# Altium PCB PCBDesign.PcbDoc (part 7 of 8)
Units mm, origin at the board's own origin, x right, y up, seen from the top; angles counter-clockwise.
Board outline 95 x 70 mm, 10 copper layers (L1 (Sig), L2 (GND), L3 (Sig), L4 (GND), L5 (Sig), L6 (GND), L7 (Sig), L8 (GND), L9 (PWR), L10 (Sig)), stack 1.566 mm thick; 290 components, 365 nets, 1923 pads, 1420 vias.
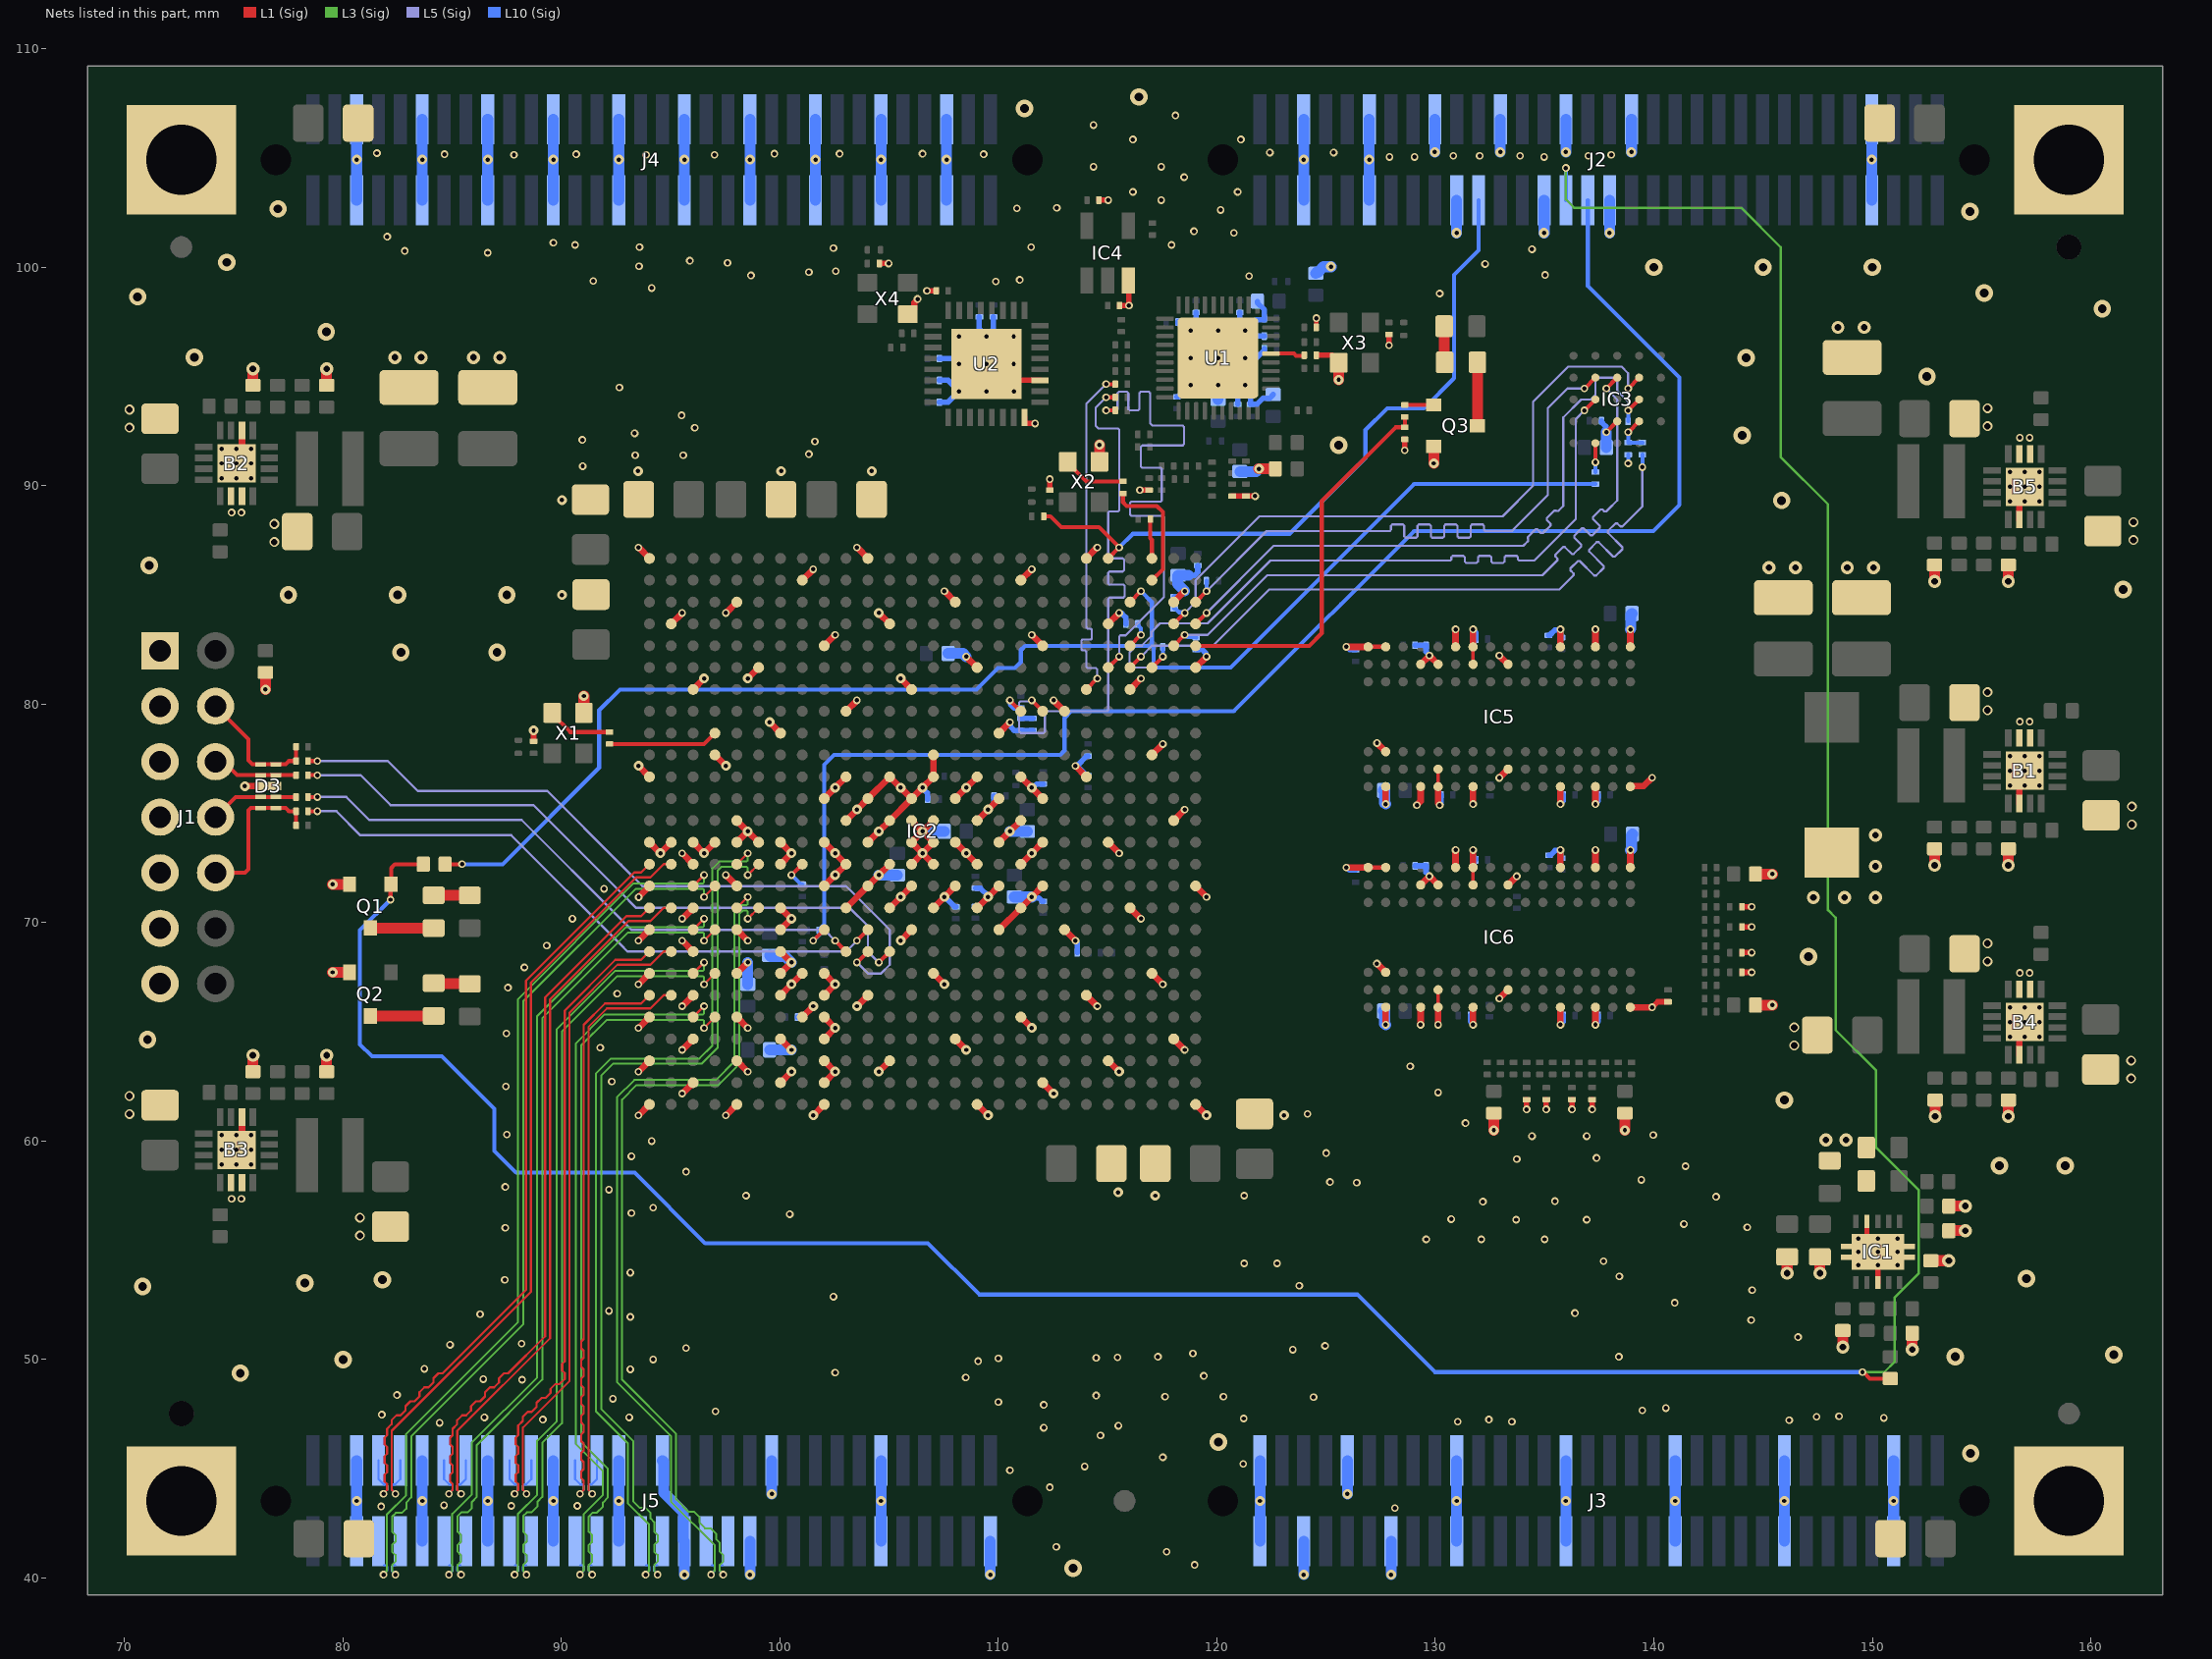
[diagram p15: the nets of this part, all layers, seen from the top]

## Via types
v1: diameter 0.35, hole 0.2, L1 (Sig) to L10 (Sig), tented both sides, 1046 vias
v2: diameter 0.45, hole 0.2, L1 (Sig) to L10 (Sig), tented both sides, 216 vias
v3: diameter 0.6, hole 0.3, L1 (Sig) to L10 (Sig), tented both sides, 95 vias
v4: diameter 0.8, hole 0.4, L1 (Sig) to L10 (Sig), tented both sides, 41 vias
v5: diameter 0.45, hole 0.3, L1 (Sig) to L10 (Sig), tented both sides, 22 vias

## Nets (pads, with @x,y where several pads share a name; then routed paths per layer and width w, separated by ;. In a path a pad name is that pad's centre, name@x,y a point inside that pad or via, vN(x,y) a via of type N, cw(c..) or ccw(c..) an arc to the next point about the centre after c; other vN are vias at no path point) (continued)
ETH_TXD3: IC2.H19 R61.2 | length 26.7
  L1 (Sig) w0.185: v1(111.525,80.175) IC2.H19@112.025,79.675 ; v1(114.925,94.05) R61.2@115.35,94.05
  L5 (Sig) w0.1: v1(111.525,80.175) 111.477,80.127 111.009,80.127 110.95,80.069 110.95,78.734 111.009,78.675 112.066,78.675 112.125,78.734 112.125,79.616 112.184,79.675 114.966,79.675 115.025,79.734 115.025,84.816 115.084,84.875 115.716,84.875 115.775,84.934 115.775,85.416 115.716,85.475 115.084,85.475 115.025,85.534 115.025,86.016 115.084,86.075 115.691,86.075 115.75,86.134 115.75,86.616 115.691,86.675 115.084,86.675 115.025,86.734 115.025,88.766 115.084,88.825 115.466,88.825 115.525,88.884 115.525,92.566 115.466,92.625 114.575,92.625 114.45,92.75 114.45,93.575 v1(114.925,94.05)
ETH_TXDCLK: IC2.G21 R57.2 | length 16.2
  L1 (Sig) w0.185: IC2.G21@114.025,80.675 v1(114.525,81.175) ; v1(114.925,94.65) R57.2@115.35,94.65
  L5 (Sig) w0.1: v1(114.525,81.175) 114.525,81.591 114.466,81.65 114.084,81.65 114.025,81.709 114.025,82.35 114.025,82.4 113.966,82.459 113.848,82.459 113.798,82.509 113.798,82.909 113.848,82.959 114.226,82.959 114.276,83.009 114.276,83.409 114.226,83.459 114.084,83.459 114.025,83.517 114.025,83.975 114.025,93.75 v1(114.925,94.65)
ETH_TXDCTL: IC2.F22 R62.2 | length 25.7
  L1 (Sig) w0.185: v1(114.925,93.45) R62.2@115.35,93.45 ; IC2.F22@115.025,81.675 v1(115.525,82.175)
  L5 (Sig) w0.1: v1(114.925,93.45) 115.391,93.45 115.45,93.509 115.45,94.241 115.509,94.3 115.891,94.3 115.95,94.241 115.95,93.509 116.009,93.45 116.391,93.45 116.45,93.509 116.45,94.241 116.509,94.3 116.891,94.3 116.95,94.241 116.95,92.859 117.059,92.75 118.441,92.75 118.5,92.691 118.5,91.909 118.441,91.85 116.584,91.85 116.525,91.791 116.525,90.884 116.584,90.825 117.416,90.825 117.475,90.766 117.475,89.334 117.416,89.275 116.084,89.275 116.025,89.216 116.025,88.684 116.084,88.625 117.516,88.625 117.575,88.566 117.575,87.975 117.575,84.9 115.825,83.15 115.584,83.15 115.525,83.091 v1(115.525,82.175)
ETH_XTAL_IN: R110.2 U1.36 | length 1.6
  L1 (Sig) w0.185: U1.36@122.475,96.05 123.525,96.05 123.625,95.95 123.975,95.95 R110.2@124,95.975
FLASH_CLK: IC3.B2 R43.2 R45.1 | length 1.8
  L1 (Sig) w0.185: v1(138.825,92.45) IC3.B2@139.325,92.95
  L10 (Sig) w0.185: v1(138.825,92.45) R43.2@138.825,91.975 R45.1@139.475,91.975
FLASH_NRESET: IC3.A4 R47.1 | length 1.3
  L1 (Sig) w0.185: v1(137.325,91.075) IC3.A4@137.325,91.95
  L10 (Sig) w0.185: R47.1@137.325,90.625 v1(137.325,91.075)
GND: B1.6 B1.14 B1.15 B1.17 B2.6 B2.14 B2.15 B2.17 B3.6 B3.14 B3.15 B3.17 B4.6 B4.14 B4.15 B4.17 B5.6 B5.14 B5.15 B5.17 C1.1 C2.1 C3.1 C4.1 C6.1 C8.1 C9.1 C10.1 C11.1 C12.1 C13.1 C15.1 C17.1 C18.1 C19.1 C20.1 C22.1 C23.1 C24.1 C25.1 C26.1 C27.1 C28.1 C29.1 C30.1 C31.1 C32.2 C33.1 C34.1 C35.1 C36.1 C37.1 C38.1 C39.1 C40.1 C41.1 C42.1 C43.1 C44.1 C45.1 C46.1 C47.1 C48.1 C49.1 C50.1 C51.1 C52.1 C53.1 C54.1 C55.1 C56.1 C57.1 C58.1 C59.1 C60.1 C61.1 C62.1 C63.2 C64.2 C65.1 C66.1 C67.2 C68.1 C69.1 C70.1 C71.1 C72.1 C73.1 C74.1 C75.1 C76.1 C77.1 C78.1 C79.1 C80.1 C81.1 C82.1 C84.1 C85.1 C86.1 C87.1 C88.1 C89.1 C90.1 C91.1 C92.1 C93.1 C95.1 C96.1 C97.1 C98.1 C99.1 C100.1 C101.1 C102.1 C103.1 C104.1 C105.1 C106.1 C107.1 C108.1 C109.1 C110.2 C111.2 C112.1 C113.1 C114.1 C115.1 C116.1 C117.1 C118.1 C119.2 C120.2 C121.1 C122.1 C123.1 C124.1 C125.1 C126.1 C127.1 C128.1 C129.1 C130.1 D3.38 IC1.4 IC1.8 IC1.11 IC1.12 IC1.13 IC1.14 IC1.15 IC2.A1 IC2.A11 IC2.A21 IC2.AA3 IC2.AA7 IC2.AA9 IC2.AA11 IC2.AA21 IC2.AB1 IC2.AB5 IC2.AB9 IC2.AB18 IC2.AC3 IC2.AC7 IC2.AC9 IC2.AC15 IC2.AC25 IC2.AD1 IC2.AD5 IC2.AD9 IC2.AD12 IC2.AD22 IC2.AE3 IC2.AE7 IC2.AE9 IC2.AE19 IC2.AF1 IC2.AF5 IC2.AF9 IC2.AF16 IC2.AF26 IC2.B8 IC2.B18 IC2.C5 IC2.C15 IC2.C25 IC2.D2 IC2.D12 IC2.D22 IC2.E9 IC2.E19 IC2.F6 IC2.F16 IC2.F26 IC2.G3 IC2.G13 IC2.G23 IC2.H10 IC2.H20 IC2.J7 IC2.J17 IC2.K4 IC2.K14 IC2.K24 IC2.L1 IC2.L10 IC2.L12 IC2.L14 IC2.L16 IC2.L18 IC2.L21 IC2.M9 IC2.M11 IC2.M13 IC2.M15 IC2.M17 IC2.M19 IC2.N5 IC2.N10 IC2.N12 IC2.N13 IC2.N14 IC2.N16 IC2.N18 IC2.N25 IC2.P1 IC2.P2 IC2.P3 IC2.P4 IC2.P5 IC2.P6 IC2.P7 IC2.P9 IC2.P11 IC2.P13 IC2.P14 IC2.P15 IC2.P17 IC2.P19 IC2.P22 IC2.R3 IC2.R7 IC2.R10 IC2.R12 IC2.R13 IC2.R14 IC2.R16 IC2.R18 IC2.T1 IC2.T5 IC2.T9 IC2.T11 IC2.T13 IC2.T15 IC2.T17 IC2.T19 IC2.T26 IC2.U3 IC2.U7 IC2.U10 IC2.U12 IC2.U14 IC2.U16 IC2.U18 IC2.U23 IC2.V1 IC2.V5 IC2.V7 IC2.V13 IC2.V17 IC2.V20 IC2.W3 IC2.W7 IC2.Y1 IC2.Y5 IC2.Y7 IC2.Y8 IC2.Y9 IC2.Y14 IC2.Y24 IC3.B3 IC4.3 IC5.A9 IC5.B1 IC5.B3 IC5.B9 IC5.D1 IC5.D8 IC5.E1 IC5.E2 IC5.E8 IC5.F9 IC5.G1 IC5.G8 IC5.G9 IC5.J2 IC5.J8 IC5.M1 IC5.M9 IC5.P1 IC5.P9 IC5.T1 IC5.T9 IC6.A9 IC6.B1 IC6.B3 IC6.B9 IC6.D1 IC6.D8 IC6.E1 IC6.E2 IC6.E8 IC6.F9 IC6.G1 IC6.G8 IC6.G9 IC6.J2 IC6.J8 IC6.M1 IC6.M9 IC6.P1 IC6.P9 IC6.T1 IC6.T9 J1.1 J1.3 J1.5 J1.7 J1.9 J1.11 J1.13 J2.7 J2.8 J2.30 J2.31 J2.36 J2.37 J2.42 J2.45 J2.48 J2.53 J2.54 J2.59 J2.60 J3.5 J3.6 J3.15 J3.16 J3.25 J3.26 J3.35 J3.36 J3.45 J3.46 J3.51 J3.56 J3.59 J3.63 J3.64 J4.5 J4.6 J4.11 J4.12 J4.17 J4.18 J4.23 J4.24 J4.29 J4.30 J4.35 J4.36 J4.41 J4.42 J4.47 J4.48 J4.53 J4.54 J4.59 J4.60 J5.1 J5.11 J5.12 J5.22 J5.23 J5.29 J5.32 J5.35 J5.36 J5.41 J5.42 J5.47 J5.48 J5.53 J5.54 J5.59 J5.60 pad.12 Q1.2 Q2.2 Q3.2 R7.1 R8.1 R15.1 R16.1 R23.1 R24.1 R40.2 R43.1 R49.1 R50.1 R51.1 R54.1 R64.1 R90.1 R92.1 R93.1 R94.1 R105.2 R106.2 R107.2 R110.1 R111.1 R116.1 U1.41 U2.8 U2.11 U2.33 X1.2 X2.2 X3.2 X4.2 | length 352.9
  L1 (Sig) w0.15: IC6.E1@130.123,66.127 IC6.E2@130.125,66.925 ; IC5.E1@130.123,76.227 IC5.E2@130.123,77.023 ; IC6.G8@131.725,71.725 IC6.G9@131.725,72.525 ; IC5.G8@131.725,81.825 IC5.G9@131.725,82.625
  L1 (Sig) w0.185: R111.1@124.55,97.25 v1(124.55,97.675) ; v1(137.825,92.45) IC3.B3@138.325,92.95
  L1 (Sig) w0.2: IC6.A9@126.925,72.525 IC6.B9@127.725,72.525 ; IC5.A9@126.925,82.625 IC5.B9@127.725,82.625 ; IC6.E1@130.123,66.127 IC6.E1@130.125,66.125 ; IC6.E2@130.125,66.925 IC6.E2@130.125,66.925 ; IC5.E1@130.123,76.227 IC5.E1@130.125,76.225 ; IC5.E2@130.123,77.023 IC5.E2@130.125,77.025
  L1 (Sig) w0.24: IC1.4@149.75,56.325 149.75,55.425 v1(150.25,54.925) v1(150.25,54.325) IC1.8@150.25,53.525
  L1 (Sig) w0.25: C63.2@88.725,78.3 v2(88.725,78.8) ; C126.1@104.55,100.175 v1(104.975,100.175) ; v1(106.725,98.925) R116.1@107.15,98.925 ; v1(109.45,95.575) 110.2,94.825 U2.11@111.9,94.825 ; U2.8@111.2,93.125 111.2,92.855 111.205,92.85 v1(111.675,92.85) ; C67.2@112.35,89.8 v1(112.35,90.3) ; C68.1@114.6,103.075 v1(115.025,103.075) ; R64.1@115.55,98.25 v1(115.975,98.25) 115.963,98.262 115.963,99.383 IC4.3@115.95,99.396 ; v1(116.475,89.8) R107.2@116.9,89.8 ; R105.2@120.7,89.525 120.75,89.525 R106.2@121.325,89.525 v1(121.75,89.525) ; R110.1@124.55,95.975 125.275,95.975 125.575,95.675 X3.2@125.575,95.625 ; v1(127.875,96.425) C120.2@127.875,96.925 ; v1(128.6,91.625) R51.1@128.6,92.125 ; v1(134.175,61.45) C78.1@134.175,61.9 ; v1(135.075,61.45) C72.1@135.075,61.9 ; v1(136.25,61.45) C74.1@136.25,61.9 ; v1(137.175,61.45) C75.1@137.175,61.9 ; v1(139.925,66.125) 140.175,66.375 R90.1@140.65,66.375 ; C76.1@144.025,67.725 v1(144.475,67.725) ; C73.1@144.025,68.625 v1(144.475,68.625) ; C71.1@144.025,69.8 v1(144.475,69.8) ; C77.1@144.025,70.725 v1(144.475,70.725)
  L1 (Sig) w0.3: v1(75.125,59.6) 75.375,59.85 B3.6@75.375,61.1 ; v1(75.125,91.025) 75.375,91.275 B2.6@75.375,92.525 ; v2(75.51,76.25) D3.38@76.575,76.25 ; v1(93.525,61.175) IC2.AF1@94.025,61.675 ; v1(93.525,63.175) IC2.AD1@94.025,63.675 ; v1(93.525,65.175) IC2.AB1@94.025,65.675 ; v1(93.525,67.175) IC2.Y1@94.025,67.675 ; v1(93.525,69.175) IC2.V1@94.025,69.675 ; v2(93.525,77.175) IC2.L1@94.025,76.675 ; v1(93.525,87.175) IC2.A1@94.025,86.675 ; v1(93.533,71.167) 93.533,71.175 94.025,71.667 IC2.T1@94.025,71.675 ; IC2.P1@94.025,73.675 v2(94.525,73.175) IC2.P2@95.025,73.675 ; IC2.D2@95.025,83.675 v1(95.525,84.175) ; v1(95.525,62.175) IC2.AE3@96.025,62.675 ; v1(95.525,64.175) IC2.AC3@96.025,64.675 ; v1(95.525,66.175) IC2.AA3@96.025,66.675 ; v1(95.525,69.175) IC2.W3@96.025,68.675 ; v1(95.525,70.175) IC2.U3@96.025,70.675 ; v1(95.525,73.175) IC2.R3@96.025,72.675 ; IC2.P3@96.025,73.675 v2(96.525,73.175) IC2.P4@97.025,73.675 ; IC2.G3@96.025,80.675 v2(96.525,81.175) ; IC2.K4@97.025,77.675 v2(97.525,77.175) ; v1(97.525,61.175) IC2.AF5@98.025,61.675 ; v1(97.525,72.175) IC2.T5@98.025,71.675 ; v1(97.525,84.175) IC2.C5@98.025,84.675 ; IC2.AD5@98.025,63.675 v1(98.525,63.175) ; IC2.AB5@98.025,65.675 v1(98.525,65.175) ; IC2.Y5@98.025,67.675 v1(98.525,68.175) ; IC2.V5@98.025,69.675 v1(98.525,69.175) ; IC2.P5@98.025,73.675 v2(98.525,74.175) ; IC2.N5@98.025,74.675 v2(98.525,74.175) ; v2(98.525,81.175) IC2.F6@99.025,81.675 ; IC2.P6@99.025,73.675 v2(98.525,74.175) ; v2(99.525,79.175) IC2.J7@100.025,78.675 ; IC2.AE7@100.025,62.675 v2(100.525,63.175) ; IC2.AC7@100.025,64.675 v2(100.525,64.175) ; IC2.AA7@100.025,66.675 v2(100.525,67.175) IC2.Y8@101.025,67.675 ; IC2.Y7@100.025,67.675 v2(100.525,68.175) IC2.W7@100.025,68.675 ; IC2.V7@100.025,69.675 v2(100.525,70.175) IC2.U7@100.025,70.675 ; IC2.R7@100.025,72.675 v2(100.525,73.175) IC2.P7@100.025,73.675 ; IC2.B8@101.025,85.675 v1(101.525,86.175) ; v2(101.525,61.175) IC2.AF9@102.025,61.675 ; IC2.AE9@102.025,62.675 v2(102.525,63.175) IC2.AD9@102.025,63.675 ; IC2.AC9@102.025,64.675 v2(102.525,65.175) IC2.AB9@102.025,65.675 ; IC2.AA9@102.025,66.675 v2(102.525,67.175) IC2.Y9@102.025,67.675 ; IC2.T9@102.025,71.675 v2(102.525,72.175) IC2.R10@103.025,72.675 IC2.P9@102.025,73.675 ; IC2.M9@102.025,75.675 v2(102.525,76.175) IC2.L10@103.025,76.675 ; IC2.E9@102.025,82.675 v1(102.525,83.175) ; IC2.U10@103.025,70.675 IC2.T11@104.025,71.675 v2(104.525,72.175) IC2.R12@105.025,72.675 ; IC2.N10@103.025,74.675 v2(103.525,75.175) IC2.M11@104.025,75.675 IC2.L12@105.025,76.675 IC2.M13@106.025,75.675 ; IC2.H10@103.025,79.675 v1(103.525,80.175) ; v2(103.525,66.175) IC2.AA11@104.025,66.675 ; v1(103.525,87.175) IC2.A11@104.025,86.675 ; IC2.P11@104.025,73.675 v2(104.525,74.175) IC2.N12@105.025,74.675 IC2.M13@106.025,75.675 ; v2(104.525,63.175) IC2.AD12@105.025,63.675 ; v2(104.525,84.175) IC2.D12@105.025,83.675 ; IC2.U12@105.025,70.675 v2(105.525,71.175) IC2.T13@106.025,71.675 ; v2(105.525,69.175) IC2.V13@106.025,69.675 ; v2(105.525,81.175) IC2.G13@106.025,80.675 ; X4.2@105.9,97.85 106.15,98.1 106.15,98.386 106.3,98.536 v1(106.3,98.55) ; IC2.R13@106.025,72.675 v2(106.525,73.175) ; IC2.N13@106.025,74.675 v2(106.525,74.175) ; IC2.Y14@107.025,67.675 v2(107.525,67.175) ; IC2.U14@107.025,70.675 v2(107.525,71.175) IC2.T15@108.025,71.675 ; IC2.R14@107.025,72.675 v2(106.525,73.175) ; IC2.N14@107.025,74.675 v2(106.525,74.175) ; IC2.K14@107.025,77.675 IC2.L14@107.025,76.675 v2(106.525,76.175) IC2.M13@106.025,75.675 ; v1(107.525,85.175) IC2.C15@108.025,84.675 ; IC2.AC15@108.025,64.675 v2(108.525,64.175) ; IC2.P15@108.025,73.675 IC2.R16@109.025,72.675 ; IC2.M15@108.025,75.675 v2(108.525,76.175) IC2.L16@109.025,76.675 ; v1(108.525,82.175) IC2.F16@109.025,81.675 ; IC2.AF16@109.025,61.675 v2(109.525,61.175) ; IC2.U16@109.025,70.675 v2(109.525,71.175) IC2.T17@110.025,71.675 ; IC2.N16@109.025,74.675 v2(109.525,75.175) IC2.M17@110.025,75.675 ; IC2.V17@110.025,69.675 IC2.U18@111.025,70.675 v2(111.525,71.175) IC2.T19@112.025,71.675 ; IC2.P17@110.025,73.675 v2(110.525,74.175) IC2.N18@111.025,74.675 ; IC2.J17@110.025,78.675 v1(110.525,79.175) ; IC2.AB18@111.025,65.675 v2(111.525,65.175) ; IC2.R18@111.025,72.675 v2(111.525,73.175) IC2.P19@112.025,73.675 ; IC2.L18@111.025,76.675 v2(111.525,76.175) IC2.M19@112.025,75.675 ; IC2.B18@111.025,85.675 v1(111.525,86.175) ; v1(111.525,83.175) IC2.E19@112.025,82.675 ; IC2.AE19@112.025,62.675 v2(112.525,62.175) ; v1(112.525,80.175) IC2.H20@113.025,79.675 ; IC2.V20@113.025,69.675 v1(113.525,69.175) ; v1(113.525,77.175) IC2.L21@114.025,76.675 ; IC2.AA21@114.025,66.675 v1(114.525,66.175) ; IC2.A21@114.025,86.675 v1(114.525,87.175) ; IC2.AD22@115.025,63.675 v2(115.525,63.175) ; IC2.P22@115.025,73.675 v1(115.525,73.175) ; IC2.D22@115.025,83.675 v1(115.525,84.175) ; IC2.U23@116.025,70.675 v1(116.525,70.175) ; IC2.G23@116.025,80.675 v1(116.525,81.175) ; IC2.Y24@117.025,67.675 v1(117.525,67.175) ; IC2.K24@117.025,77.675 v1(117.525,78.175) ; IC2.AC25@118.025,64.675 v1(118.525,64.175) ; IC2.N25@118.025,74.675 v1(118.525,75.175) ; IC2.C25@118.025,84.675 v1(118.527,85.175) ; IC2.AF26@119.025,61.675 v2(119.525,61.175) ; IC2.T26@119.025,71.675 v1(119.525,71.175) ; IC2.F26@119.025,81.675 v1(119.525,82.175) ; v1(125.925,72.525) IC6.A9@126.925,72.525 ; v1(125.925,82.625) IC5.A9@126.925,82.625 ; v1(127.325,68.125) IC6.B3@127.725,67.725 ; v1(127.327,78.223) IC5.B3@127.725,77.825 ; v1(127.725,65.325) IC6.B1@127.725,66.125 ; v1(127.725,75.425) IC5.B1@127.725,76.225 ; v1(129.15,75.375) 129.15,75.389 129.323,75.562 129.323,76.223 IC5.D1@129.325,76.225 ; v1(129.325,65.325) IC6.D1@129.325,66.125 ; IC6.D8@129.325,71.725 v1(129.725,72.125) IC6.E8@130.125,71.725 ; IC5.D8@129.325,81.825 v1(129.725,82.225) IC5.E8@130.125,81.825 ; v1(130.125,65.325) IC6.E1@130.125,66.125 ; IC5.E1@130.125,76.225 130.125,75.464 130.2,75.389 v1(130.2,75.375) ; IC6.F9@130.925,72.525 v1(130.925,73.325) ; IC5.F9@130.925,82.625 v1(130.925,83.425) ; v1(131.725,65.325) IC6.G1@131.725,66.125 ; IC6.G9@131.725,72.525 v1(131.725,73.325) ; v1(131.725,75.425) IC5.G1@131.725,76.225 ; IC5.G9@131.725,82.625 v1(131.725,83.425) ; v1(132.925,66.525) IC6.J2@133.325,66.925 ; v1(132.925,76.625) IC5.J2@133.325,77.025 ; v1(132.925,82.225) IC5.J8@133.325,81.825 ; IC6.J8@133.325,71.725 v1(133.725,72.125) ; IC6.M1@135.725,66.125 IC6.M1@135.725,66.125 135.726,65.326 v1(135.727,65.325) ; IC6.M9@135.725,72.525 v1(135.725,73.325) ; v1(135.725,75.425) IC5.M1@135.725,76.225 ; IC5.M9@135.725,82.625 v1(135.725,83.425) ; v1(137.325,65.325) IC6.P1@137.325,66.125 ; IC6.P9@137.325,72.525 v1(137.325,73.325) ; v1(137.325,75.425) IC5.P1@137.325,76.225 ; IC5.P9@137.325,82.625 v1(137.325,83.425) ; IC6.T1@138.925,66.125 v1(139.925,66.125) ; IC6.T9@138.925,72.525 v1(138.925,73.325) ; IC5.T1@138.925,76.225 138.949,76.249 139.53,76.249 139.911,76.63 v1(139.925,76.63) ; IC5.T9@138.925,82.625 v1(138.925,83.425) ; B4.6@156.725,63.95 156.725,65.2 v1(156.975,65.45) ; B1.6@156.725,75.45 156.725,76.7 v1(156.975,76.95) ; B5.6@156.725,88.45 156.725,89.7 v1(156.975,89.95) ; v2(106.525,73.175) IC2.P14@107.025,73.675 v2(106.525,74.175) ; v2(106.525,73.175) IC2.P13@106.025,73.675 v2(106.525,74.175)
  L1 (Sig) w0.5: R15.1@75.875,63.175 v3(75.875,63.925) ; R8.1@75.875,94.6 v3(75.875,95.35) ; v2(76.45,80.675) C62.1@76.45,81.45 ; C13.1@79.25,63.175 v3(79.25,63.925) ; C6.1@79.25,94.6 v3(79.25,95.35) ; v2(79.525,67.725) Q2.2@80.3,67.725 ; v2(79.525,71.75) Q1.2@80.3,71.75 ; X1.2@91.025,79.6 v2(91.025,80.375) ; X4.2@105.85,97.85 X4.2@105.9,97.85 ; X2.2@114.625,91.1 v2(114.625,91.875) ; v2(121.925,90.775) C118.1@122.675,90.775 ; v2(125.575,94.85) X3.2@125.575,95.625 ; v2(129.925,91.025) Q3.2@129.925,91.8 ; v2(132.675,60.5) C79.1@132.675,61.275 ; v2(138.675,60.5) C80.1@138.675,61.275 ; C81.1@144.65,66.225 v2(145.425,66.225) ; C82.1@144.65,72.225 v2(145.425,72.225) ; v3(146.1,53.95) C29.1@146.1,54.7 ; v3(147.6,53.95) C28.1@147.6,54.7 ; v3(148.65,50.575) C26.1@148.65,51.325 ; v3(151.825,50.45) C20.1@151.825,51.2 ; C18.1@152.675,54.525 v3(153.5,54.525) ; v3(152.85,72.625) C8.1@152.85,73.375 ; v3(152.85,85.625) C23.1@152.85,86.375 ; v3(152.875,61.125) C15.1@152.875,61.875 ; C22.1@153.5,55.9 v3(154.25,55.9) ; R24.1@153.5,57.025 v3(154.25,57.025) ; v3(156.225,61.125) R16.1@156.225,61.875 ; v3(156.225,72.625) R7.1@156.225,73.375 ; v3(156.225,85.625) R23.1@156.225,86.375
  L10 (Sig) w0.185: v1(138.825,91.025) R43.1@138.825,91.425
  L10 (Sig) w0.25: v2(106.525,76.175) 106.525,76.154 106.75,75.929 C58.1@106.75,75.65 ; C123.1@107.3,93.825 107.7,93.825 v1(108.2,94.325) 107.7,94.825 C124.1@107.3,94.825 ; C125.1@107.3,95.825 107.923,95.825 108.173,95.575 v1(108.2,95.575) ; v2(107.525,71.175) 107.55,71.175 108,70.725 C48.1@108.05,70.725 ; C51.1@108.95,70.75 109.1,70.75 v2(109.525,71.175) 109.525,71.229 109.179,71.575 C52.1@108.95,71.575 ; C122.1@109.125,97.725 109.125,97.177 v1@109.45,96.852 ; v1(109.45,96.825) v1@109.45,96.852 ; v2(109.525,75.175) 109.8,75.45 C50.1@109.8,75.8 ; C121.1@109.775,97.725 109.775,97.177 v1@109.45,96.852 ; v1(110.525,79.175) 110.544,79.156 110.544,78.977 110.721,78.8 C64.2@111.575,78.8 ; v2(111.525,71.175) 111.563,71.137 111.838,71.137 112,70.975 C40.1@112.05,70.975 ; v2(111.525,76.175) 111.579,76.175 111.754,76.35 C55.1@112.05,76.35 ; v1(113.525,69.175) 113.525,69.148 113.6,69.073 R92.1@113.6,68.625 ; C69.1@114.1,76.725 114.05,76.725 113.619,77.156 113.544,77.156 v1(113.525,77.175) 113.544,77.194 113.619,77.194 114.05,77.625 C70.1@114.1,77.625 ; v1(115.525,84.175) 115.544,84.156 115.648,84.156 115.825,83.979 R54.1@115.825,83.675 ; R50.1@118.05,84.925 118.275,84.925 118.525,85.175 v1(118.527,85.175) ; C117.1@118.175,94.075 118.225,94.075 118.731,94.581 118.781,94.581 v1(118.8,94.6) ; C111.2@118.225,97.5 118.225,97.45 118.556,97.119 118.781,97.119 v1(118.8,97.1) 118.8,97.127 119.05,97.377 C108.1@119.05,97.925 ; 118.85,85.9 118.979,85.9 119.125,86.046 C45.1@119.125,86.35 ; R49.1@119.05,82.5 119.329,82.5 119.475,82.354 119.475,82.35 119.506,82.319 119.506,82.194 v1(119.525,82.175) ; C116.1@120.95,93.725 120.95,94.225 v1@121.302,94.577 ; C107.1@121.05,97.925 121.05,97.377 121.3,97.127 v1(121.3,97.1) ; v1(121.3,95.85) 121.319,95.869 121.819,95.869 122.175,96.225 C119.2@122.175,96.275 ; v1(121.302,94.6) v1@121.302,94.577 ; C112.1@121.85,98.425 121.85,98.375 122.172,98.053 C110.2@122.172,97.652 122.172,97.602 121.802,97.602 v1(121.3,97.1) ; C109.1@122.175,96.85 121.577,96.85 121.327,97.1 v1(121.3,97.1) ; C105.1@122.575,94.175 122.4,94 122.1,94 121.825,93.725 C106.1@121.55,93.725 121.55,94.325 121.302,94.573 v1@121.302,94.577 ; v1(125.925,72.525) 125.952,72.525 126.077,72.4 C101.1@126.35,72.4 ; v1(125.925,82.625) 125.952,82.625 126.077,82.5 C93.1@126.35,82.5 ; C102.1@129.075,72.6 C100.1@129.575,72.6 129.575,72.302 129.725,72.152 v1(129.725,72.125) ; C91.1@129.075,82.7 C87.1@129.575,82.7 129.575,82.402 129.725,82.252 v1(129.725,82.225) ; v1(130.2,75.375) 130.2,75.402 130.25,75.452 C88.1@130.25,75.85 ; C99.1@131.6,65.75 131.6,65.477 131.725,65.352 v1(131.725,65.325) ; v1(131.725,73.325) 131.725,73.05 131.85,72.925 C98.1@131.85,72.875 ; v1(131.725,83.425) 131.725,83.398 131.85,83.273 C92.1@131.85,82.975 ; R93.1@135.175,83.15 135.225,83.15 135.481,83.406 135.706,83.406 v1(135.725,83.425) 135.744,83.406 135.744,83.05 C84.1@135.775,83.05 ; R94.1@135.2,73.075 135.25,73.075 135.481,73.306 135.706,73.306 v1(135.725,73.325) 135.744,73.306 135.744,72.95 C95.1@135.775,72.95 ; v1(135.725,75.425) 135.725,75.452 135.85,75.577 C89.1@135.85,75.85 ; v1(135.727,65.325) 135.727,65.352 135.85,65.475 C103.1@135.85,65.75 ; v1(137.325,65.325) 137.325,65.352 137.45,65.477 C104.1@137.45,65.75 ; v1(137.325,75.425) 137.325,75.452 137.45,75.577 C90.1@137.45,75.85 ; C65.1@137.6,92.975 137.6,92.925 137.806,92.719 137.806,92.469 v1(137.825,92.45)
  L10 (Sig) w0.5: J5.59@80.625,41.675 v2(80.625,43.525) J5.60@80.625,45.375 ; J4.59@80.625,103.075 v2(80.625,104.925) J4.60@80.625,106.775 ; J5.53@83.625,41.675 v2(83.625,43.525) J5.54@83.625,45.375 ; J4.53@83.625,103.075 v2(83.625,104.925) J4.54@83.625,106.775 ; J5.47@86.625,41.675 v2(86.625,43.525) J5.48@86.625,45.375 ; J4.47@86.625,103.075 v2(86.625,104.925) J4.48@86.625,106.775 ; J5.41@89.625,41.675 v2(89.625,43.525) J5.42@89.625,45.375 ; J4.41@89.625,103.075 v2(89.625,104.925) J4.42@89.625,106.775 ; J5.35@92.625,41.675 v2(92.625,43.525) J5.36@92.625,45.375 ; J4.35@92.625,103.075 v2(92.625,104.925) J4.36@92.625,106.775 ; J5.32@94.625,45.375 94.675,45.325 94.675,43.9 95.575,43 95.575,41.725 J5.29@95.625,41.675 v2(95.625,40.15) ; J4.29@95.625,103.075 v2(95.625,104.925) J4.30@95.625,106.775 ; C59.1@98.525,67.175 v1(98.525,68.175) ; v2(98.625,40.15) J5.23@98.625,41.675 ; J4.23@98.625,103.075 v2(98.625,104.925) J4.24@98.625,106.775 ; C60.1@99.525,64.175 v2(100.525,64.175) ; C61.1@99.525,68.5 99.575,68.45 100.25,68.45 v2(100.525,68.175) ; v2(99.625,43.85) J5.22@99.625,45.375 ; J4.17@101.625,103.075 v2(101.625,104.925) J4.18@101.625,106.775 ; v2(104.525,72.175) C34.1@105.375,72.175 ; J5.11@104.625,41.675 v2(104.625,43.525) J5.12@104.625,45.375 ; J4.11@104.625,103.075 v2(104.625,104.925) J4.12@104.625,106.775 ; v2(106.525,74.175) C53.1@107.525,74.175 ; J4.5@107.625,103.075 v2(107.625,104.925) J4.6@107.625,106.775 ; C56.1@107.7,82.325 108.375,82.325 v1(108.525,82.175) ; v2(109.625,40.15) J5.1@109.625,41.675 ; v2(110.525,74.175) C49.1@111.325,74.175 ; C41.1@110.725,71.175 v2(111.525,71.175) ; v1(118.527,85.175) 118.2,85.502 118.2,85.875 C46.1@118.225,85.9 118.7,85.9 ; C115.1@120.05,93.95 v1(120.05,94.6) ; C114.1@121.05,90.65 121.8,90.65 v2(121.925,90.775) ; J3.63@121.975,41.675 v2(121.975,43.525) J3.64@121.975,45.375 ; v2(123.975,40.15) J3.59@123.975,41.675 ; J2.59@123.975,103.075 v2(123.975,104.925) J2.60@123.975,106.775 ; C113.1@124.525,99.725 124.575,99.775 124.625,99.775 124.875,100.025 v2(125.225,100.025) ; v2(125.975,43.85) J3.56@125.975,45.375 ; J2.53@126.975,103.075 v2(126.975,104.925) J2.54@126.975,106.775 ; C97.1@127.625,65.95 127.675,65.9 127.675,65.375 v1(127.725,65.325) ; C85.1@127.625,76.05 127.675,76 127.675,75.475 v1(127.725,75.425) ; v2(127.975,40.15) J3.51@127.975,41.675 ; v2(129.975,105.275) J2.48@129.975,106.775 ; J3.45@130.975,41.675 v2(130.975,43.525) J3.46@130.975,45.375 ; v2(130.975,101.575) J2.45@130.975,103.075 ; v2(132.975,105.275) J2.42@132.975,106.775 ; v2(134.975,101.575) J2.37@134.975,103.075 ; J3.35@135.975,41.675 v2(135.975,43.525) J3.36@135.975,45.375 ; v2(135.975,105.275) J2.36@135.975,106.775 ; C66.1@137.825,91.75 v1(137.825,92.45) ; v2(137.975,101.575) J2.31@137.975,103.075 ; v1(138.925,73.325) 138.975,73.375 138.975,74 C96.1@139.025,74.05 ; v1(138.925,83.425) 138.95,83.45 138.95,84.1 C86.1@139,84.15 ; v2(138.975,105.275) J2.30@138.975,106.775 ; J3.25@140.975,41.675 v2(140.975,43.525) J3.26@140.975,45.375 ; J3.15@145.975,41.675 v2(145.975,43.525) J3.16@145.975,45.375 ; J2.7@149.975,103.075 v2(149.975,104.925) J2.8@149.975,106.775 ; J3.5@150.975,41.675 v2(150.975,43.525) J3.6@150.975,45.375